# Altium PCB XuperMousePCB.PcbDoc (part 1 of 3)
Units mm, origin at the board's own origin, x right, y up, seen from the top; angles counter-clockwise.
Board outline 99.3 x 99 mm, 4 copper layers (Top Layer, Layer 1, Layer 2, Bottom Layer), stack 1.586 mm thick; 173 components, 111 nets, 534 pads, 762 vias.
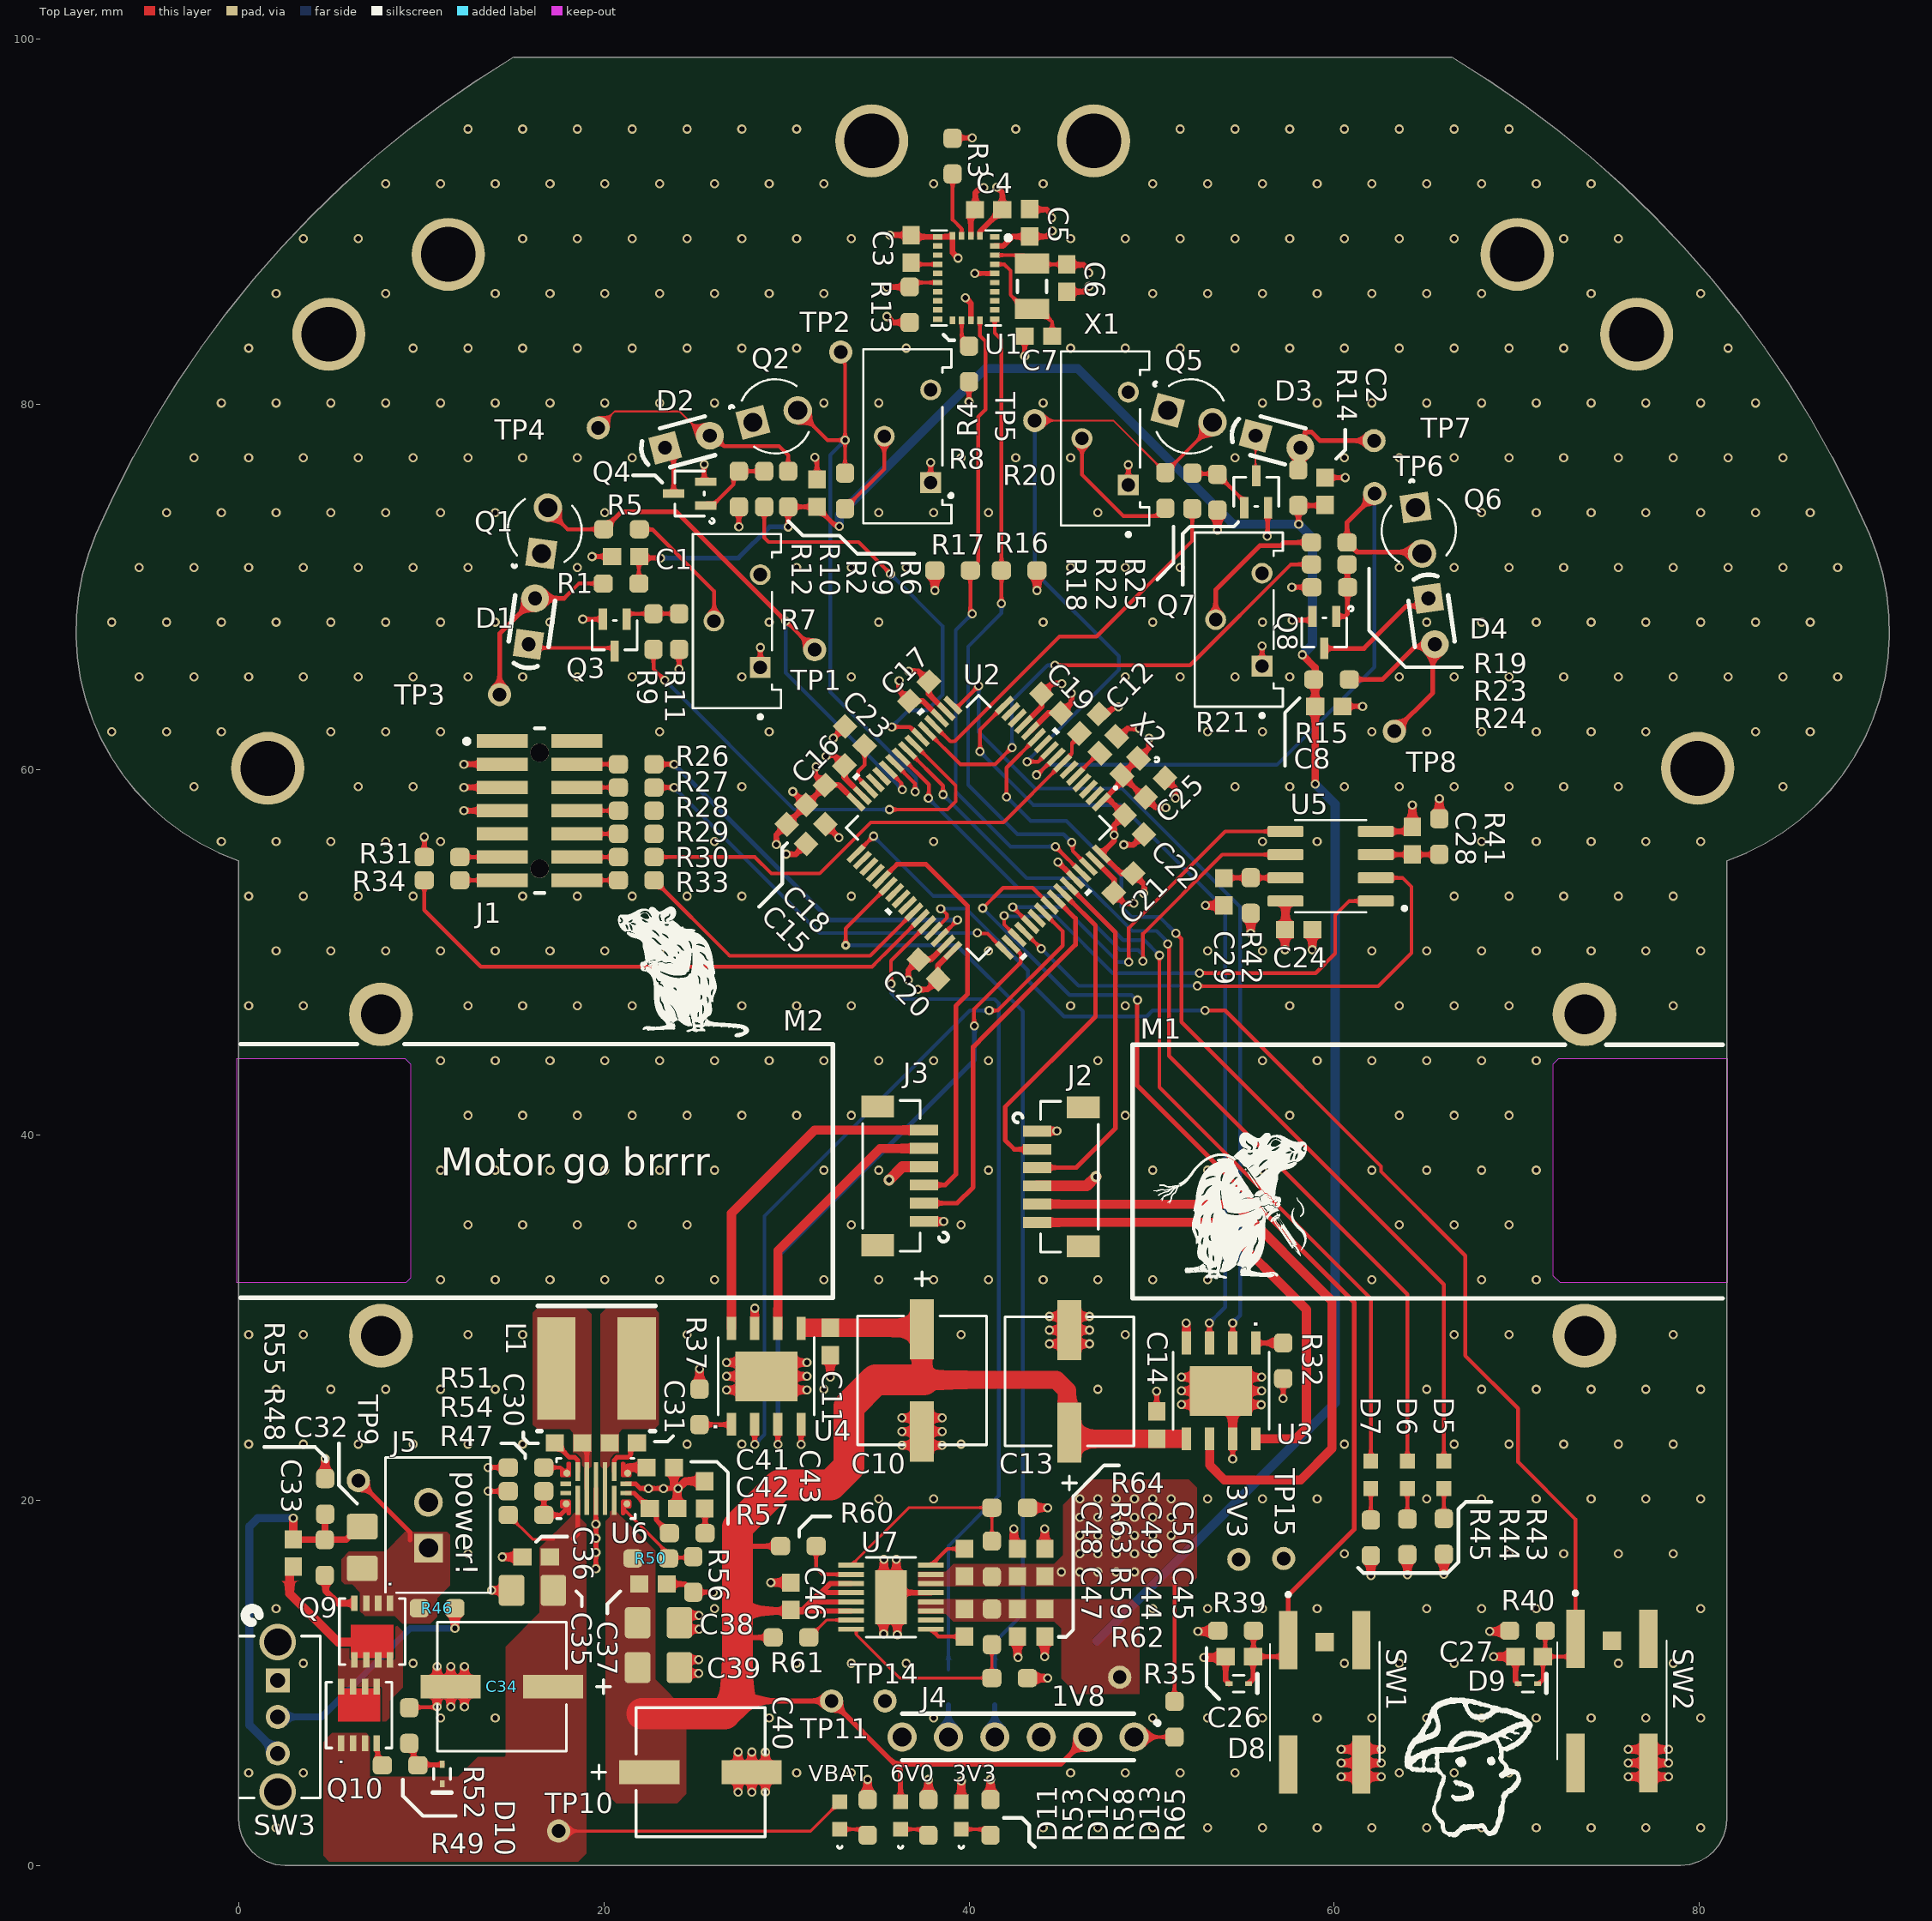
[diagram p0: Top Layer view]
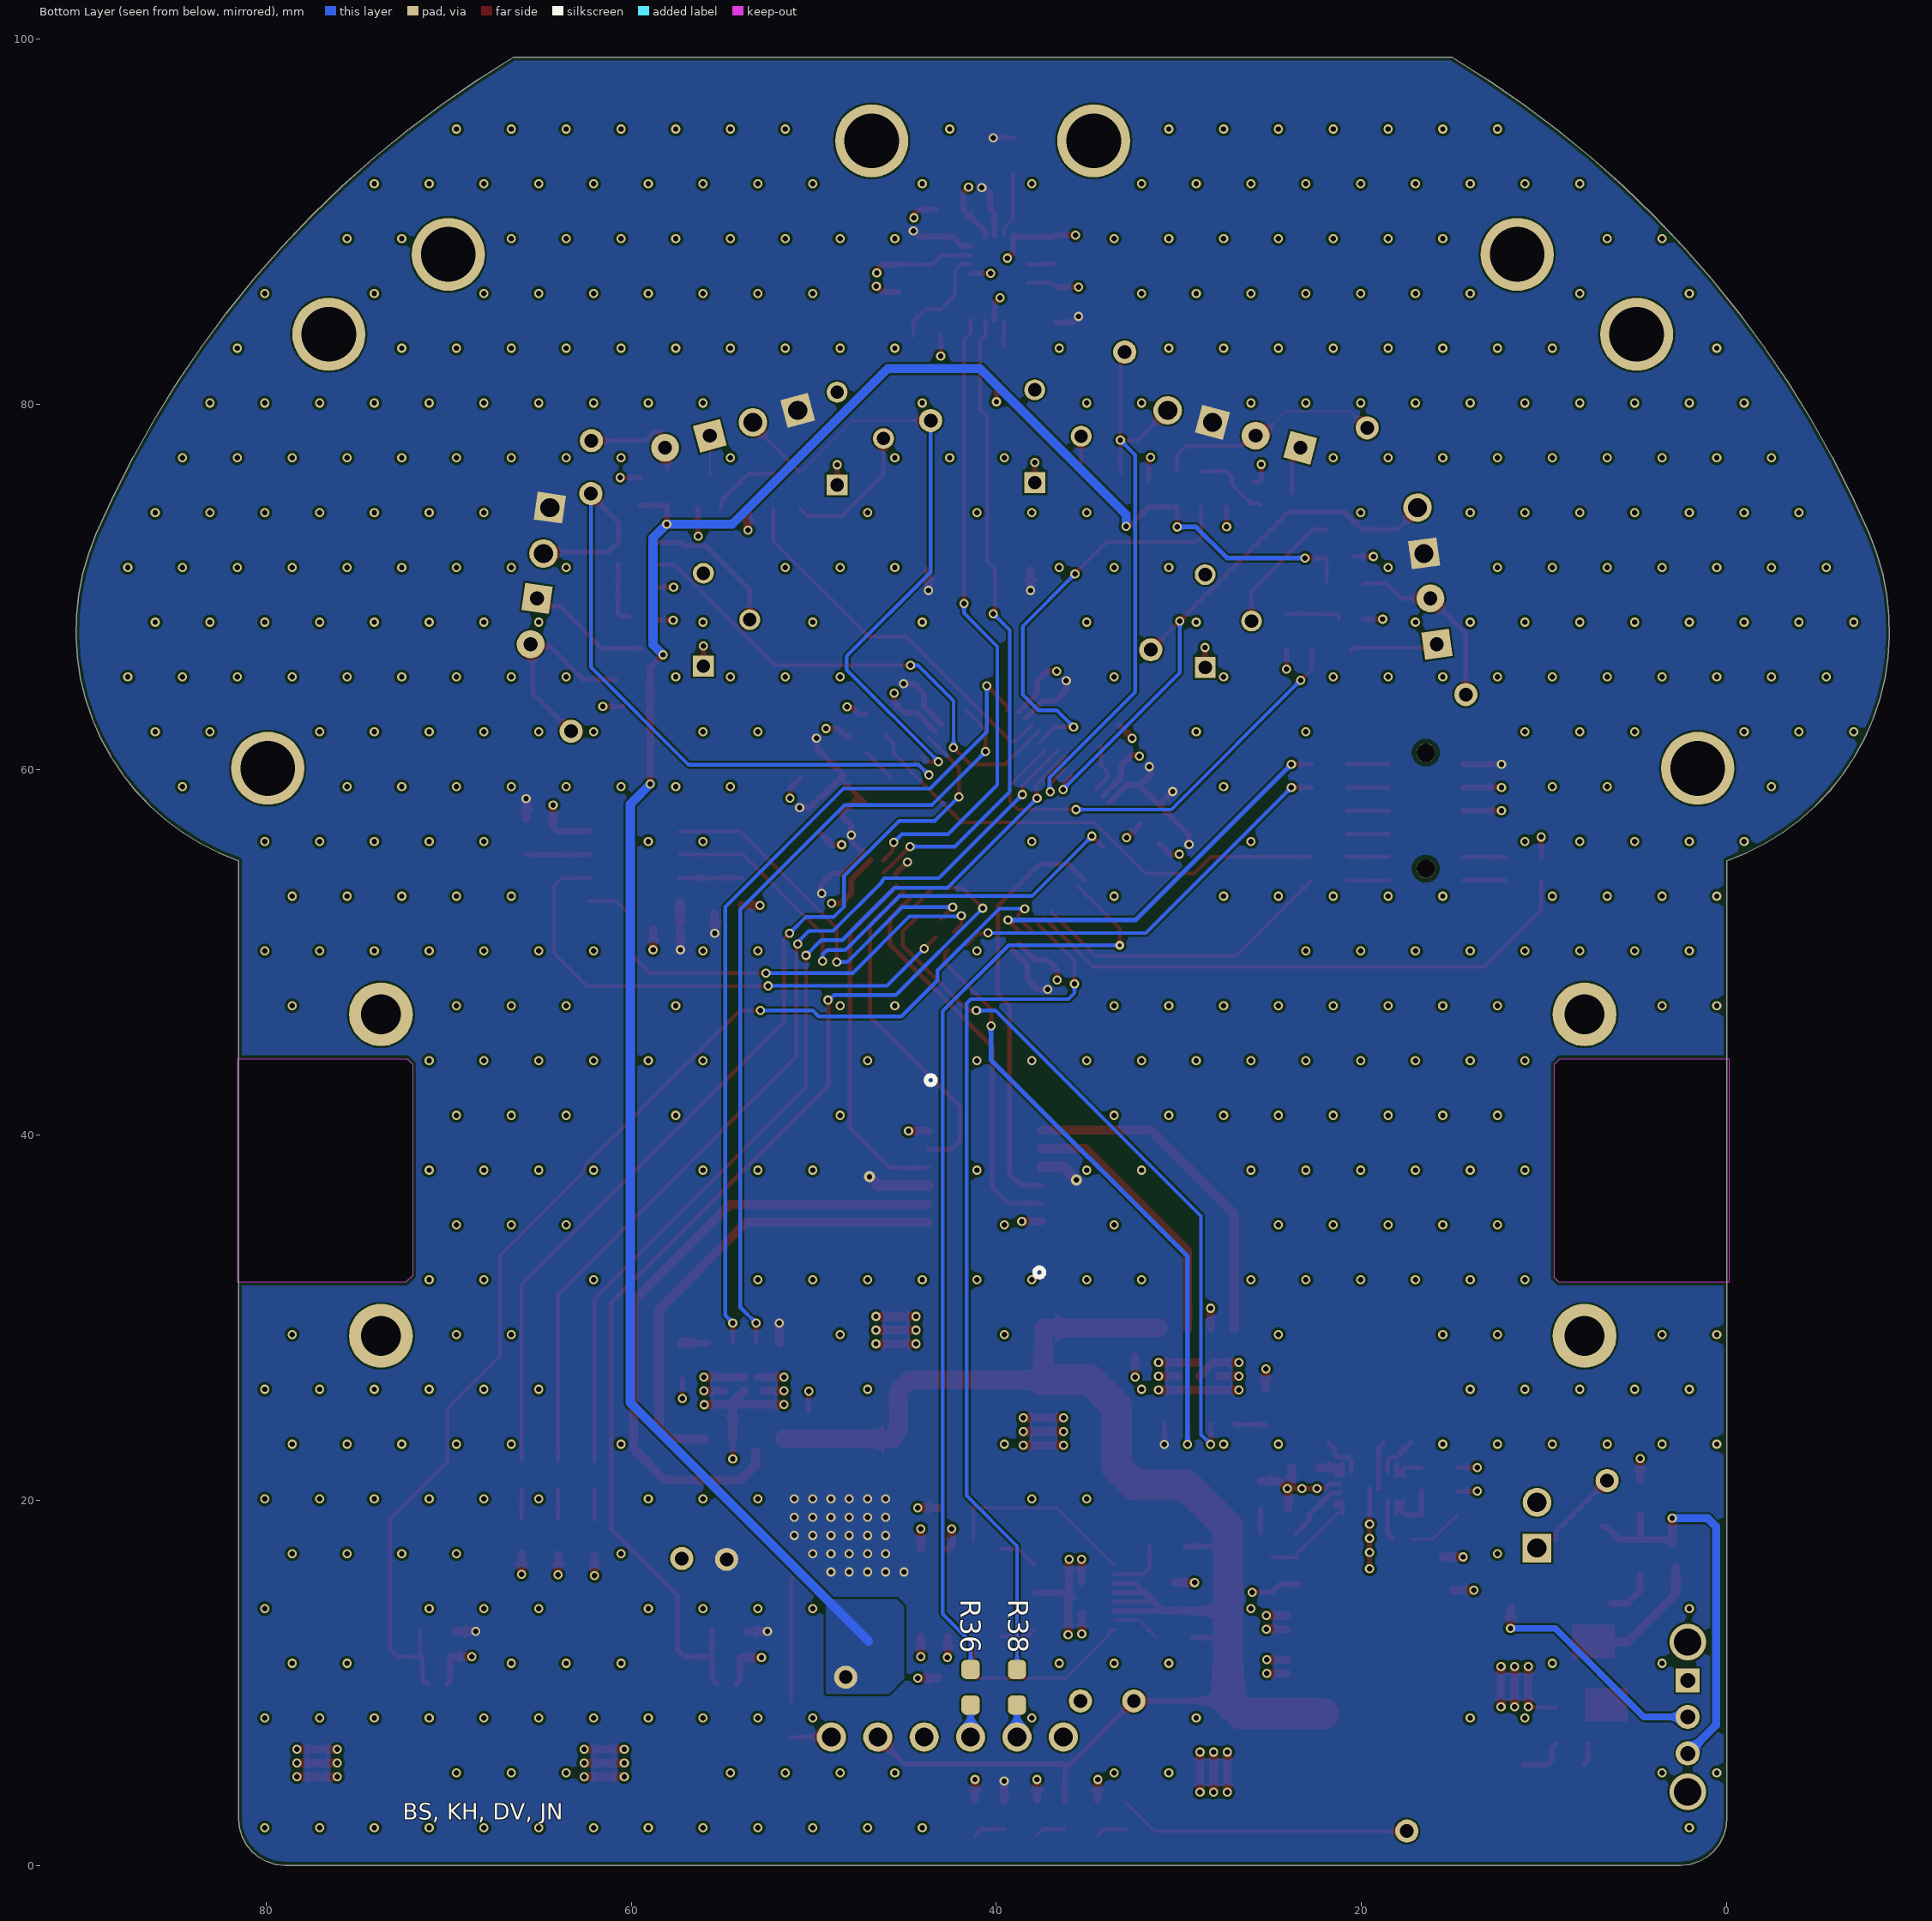
[diagram p1: Bottom Layer view, seen from below]
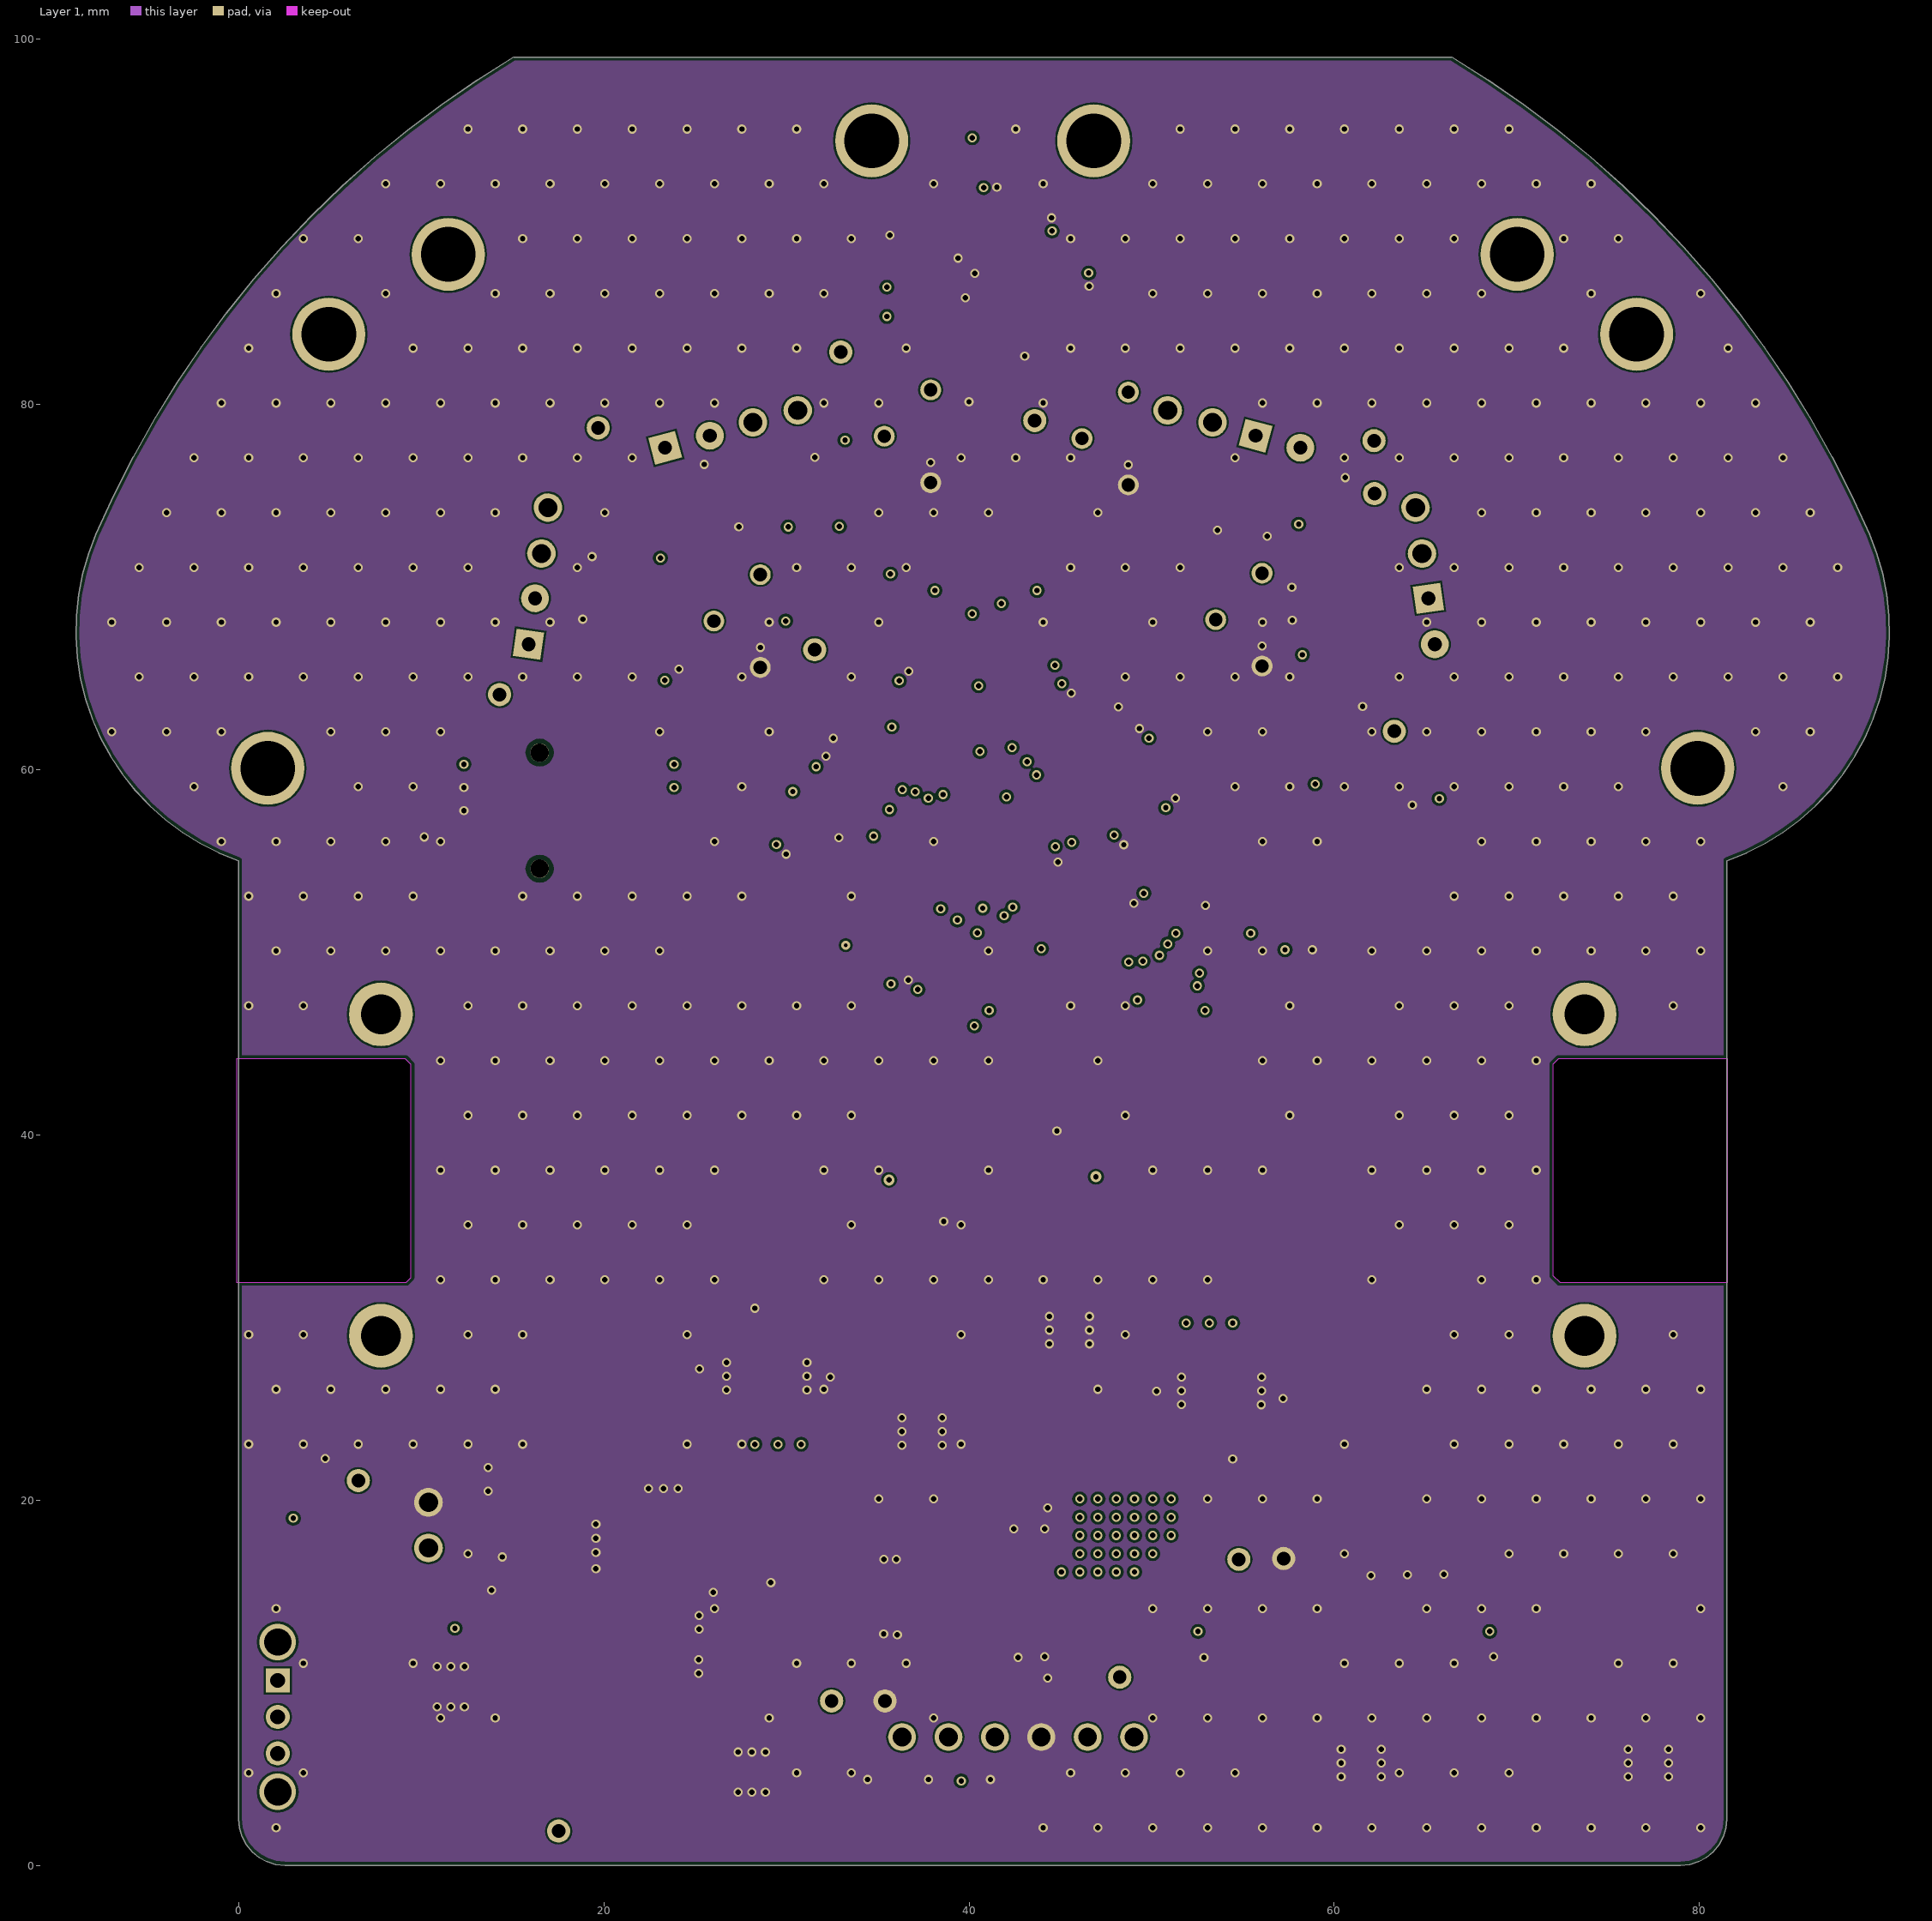
[diagram p2: Layer 1]
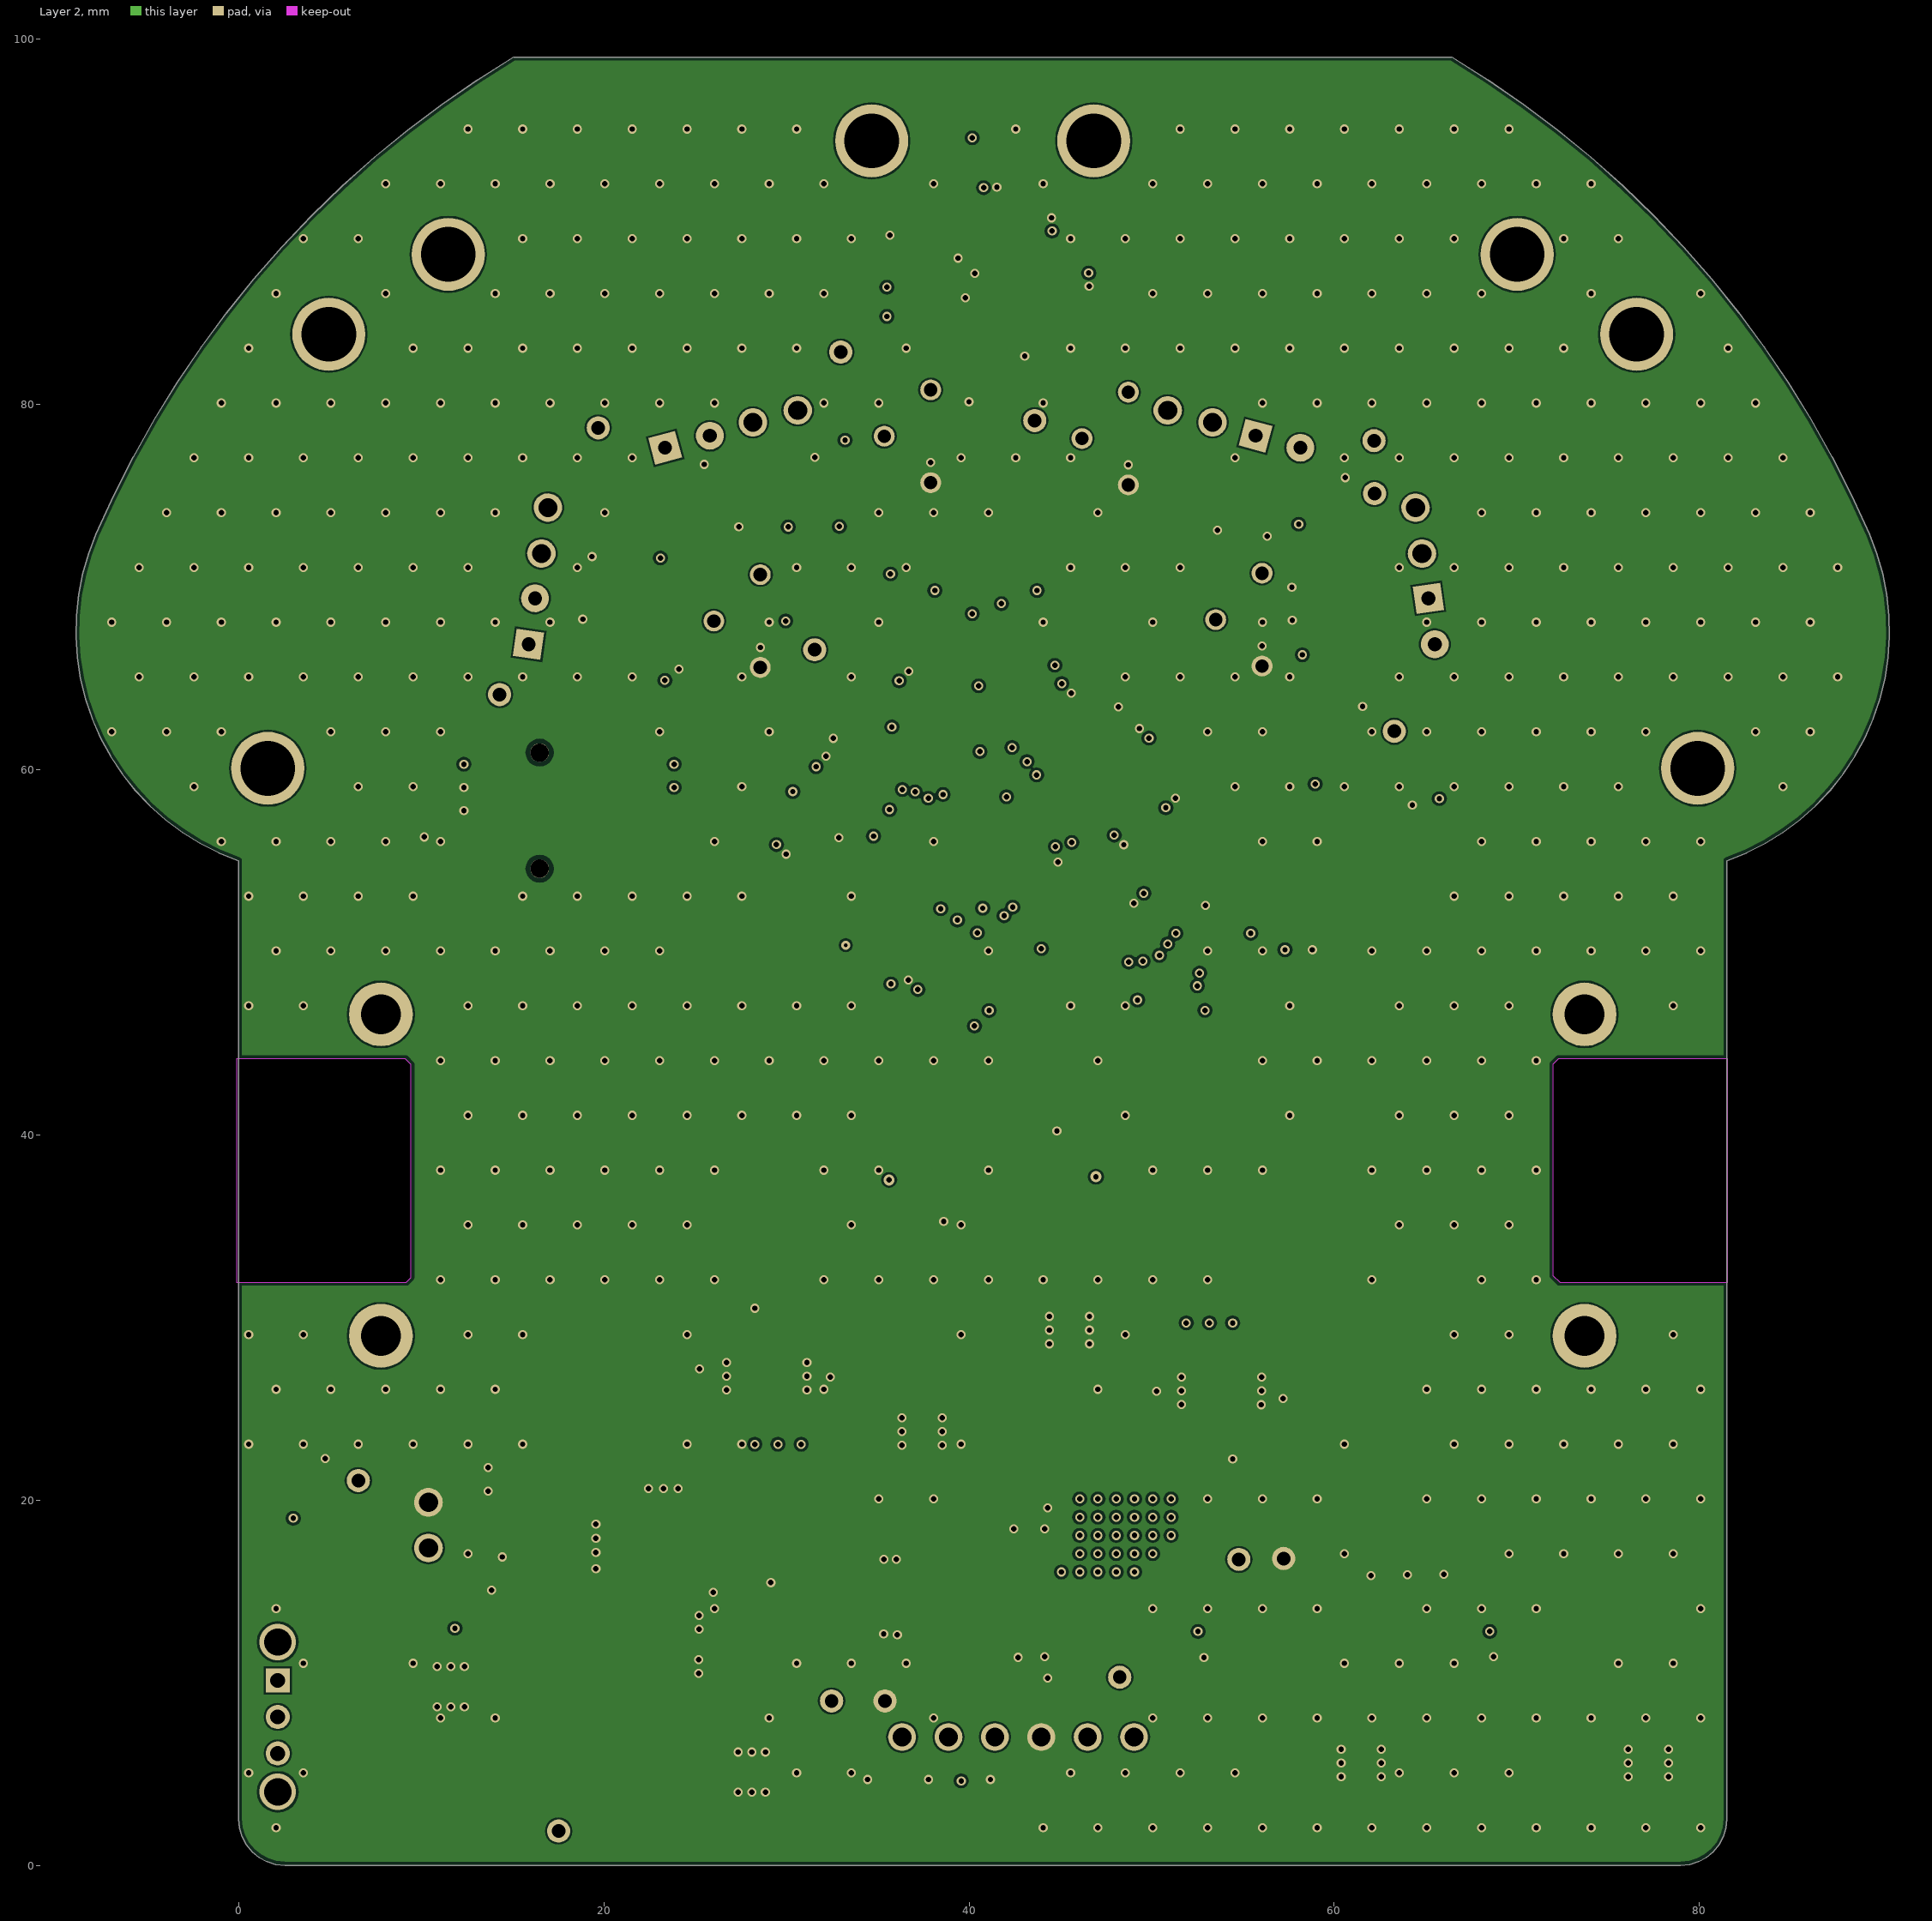
[diagram p3: Layer 2]

## Layer stack, top to bottom
Top Solder: solder mask 0.0305, Solder Resist, Dk 3.8
Top Layer: signal copper 0.035
Dielectric 2: prepreg 0.2104, PP-006, Dk 4.4
Layer 1: signal copper 0.0152
Dielectric 1: dielectric 1.065, FR-4, Dk 4.6
Layer 2: signal copper 0.0152
Dielectric 3: prepreg 0.2104, PP-006, Dk 4.4
Bottom Layer: signal copper 0.035
Bottom Solder: solder mask 0.0305, Solder Resist, Dk 3.8

## Board outline
66.424,99 15.076,99 13.085,97.747 11.147,96.412 9.266,94.999 7.445,93.508 5.688,91.944 3.996,90.308 2.374,88.604 0.824,86.834 -0.651,85.001 -2.05,83.109 -3.369,81.16 -4.606,79.159 -5.759,77.108 -6.826,75.011 -7.805,72.872 -8.217,71.797 -8.534,70.69 -8.754,69.561 -8.877,68.416 -8.9,67.266 -8.823,66.117 -8.648,64.98 -8.376,63.861 -8.008,62.771 -7.547,61.716 -6.997,60.705 -6.362,59.745 -5.647,58.844 -4.856,58.007 -3.996,57.242 -3.074,56.554 -2.095,55.948 -1.068,55.429 0,55 0,2.54 0.049,2.045 0.193,1.568 0.428,1.129 0.744,0.744 1.129,0.428 1.568,0.193 2.045,0.049 2.54,0 78.96,0 79.455,0.049 79.932,0.193 80.371,0.428 80.756,0.744 81.072,1.129 81.307,1.568 81.451,2.045 81.5,2.54 81.5,55 82.568,55.429 83.595,55.948 84.574,56.554 85.496,57.242 86.356,58.007 87.147,58.844 87.862,59.745 88.497,60.705 89.047,61.716 89.508,62.771 89.876,63.861 90.148,64.98 90.323,66.117 90.4,67.266 90.377,68.416 90.254,69.561 90.034,70.69 89.717,71.797 89.305,72.872 88.326,75.011 87.259,77.108 86.106,79.159 84.869,81.16 83.55,83.109 82.151,85.001 80.676,86.834 79.126,88.604 77.504,90.308 75.812,91.944 74.055,93.508 72.234,94.999 70.353,96.412 68.415,97.747
cut-out: 72.35,31.925 81.531,31.925 81.531,44.15 72.271,44.15 71.969,43.848 71.969,32.306
cut-out: -0.113,31.925 9.194,31.925 9.45,32.181 9.45,43.85 9.15,44.15 -0.113,44.15
